# KiCad board Warp-SE.kicad_pcb (continued)
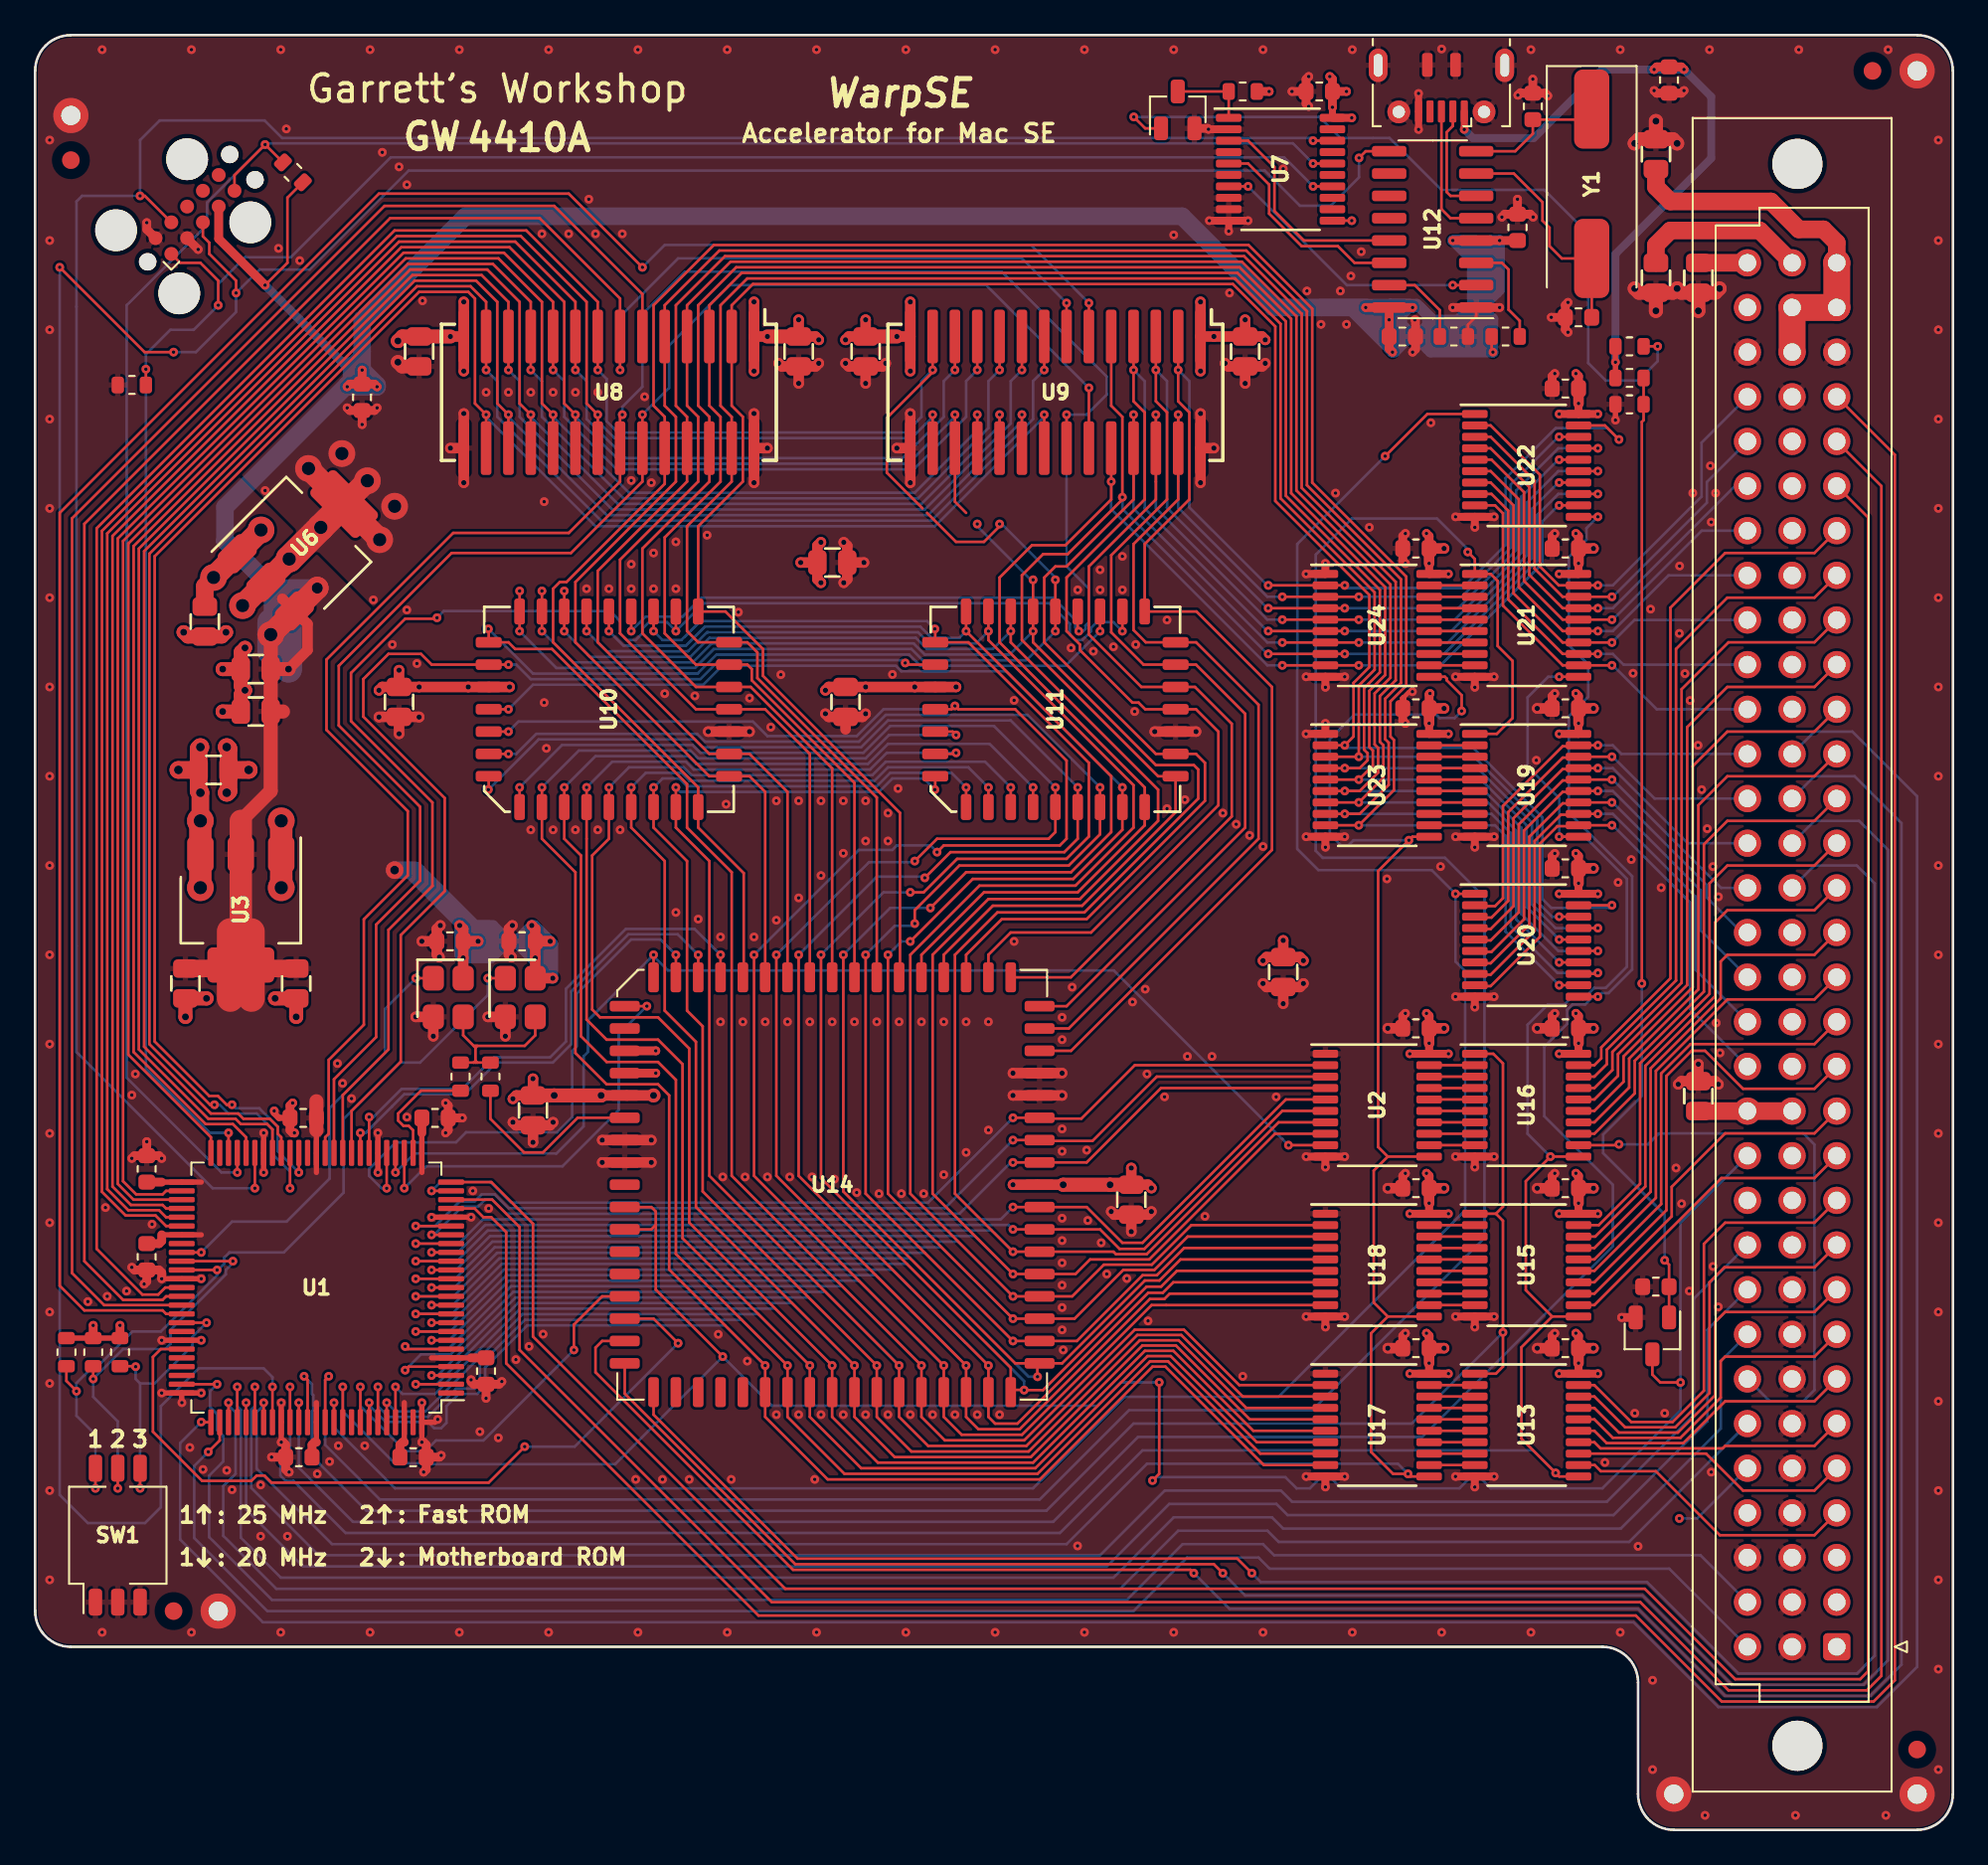
[diagram p0: board, top side]
## Routing (per net, layer and track width the routed paths; a pad name or vN(x,y) marks a point on that pad's centre or on a via; arc(x,y) is an arc through that point) (continued)
/Buf/AccA18: length 148.3
  Top w0.15: U1.16 v2(21.65,32.35) ; v2(28.83,68.2) U10.28 v2(28.83,70.49) ; U2.7 70.73,40.25 63.23,32.75 61.48,32.75 61.34,32.89 v2(55.63,32.89) 52.32,36.2 52.32,49.78 54.74,52.2 59.69,52.2 66.17,58.67 66.17,60.33 65.91,60.58 63.75,60.58 56.77,67.56 v2(56.77,68.2) U11.26 v2(56.77,71.12)
  Bottom w0.15: v2(56.77,68.2) 55.44,66.87 50.61,66.87 49.97,67.5 38.48,67.5 37.4,66.42 30.61,66.42 v2(28.83,68.2) ; v2(55.63,32.89) 54.42,34.1 25.74,34.1 24,32.35 v2(21.65,32.35) ; v2(53.59,74.3) 53.59,74.17 56.64,71.12 v2(56.77,71.12)
/Buf/AccA19: length 56.4
  Top w0.15: U1.17 v2(22.55,32.85) ; U2.6 70.95,40.9 63.1,33.05 61.69,33.05 60.58,34.16 v2(55.63,34.16)
  Bottom w0.15: v2(22.55,32.85) 24.05,32.85 25.61,34.42 55.37,34.42 v2(55.63,34.16)
/Buf/AccA20: length 59.1
  Top w0.15: U2.5 71.15,41.55 63,33.4 61.85,33.4 59.82,35.43 57.01,35.43 ; 57.28,35.43 v2(55.63,35.43) ; U1.18 v2(21.65,33.35)
  Bottom w0.15: v2(55.63,35.43) 54.93,34.73 25.48,34.73 24.1,33.35 v2(21.65,33.35)
/Buf/AccA21: length 56.1
  Top w0.15: U1.19 v2(22.55,33.85) ; U2.4 64.05,42.2 59.82,37.97 v2(55.63,37.97)
  Bottom w0.15: v2(22.55,33.85) 22.7,33.85 24.3,35.45 25.2,35.45 25.6,35.85 26,35.85 26.8,35.05 52.58,35.05 55.5,37.97 v2(55.63,37.97)
/Buf/AccA22: length 57.9
  Top w0.15: 57.01,39.24 v2(55.63,39.24) ; U1.20 v2(21.65,34.35) ; 57.06,39.19 60.15,39.19 63.81,42.85 U2.3
  Bottom w0.15: v2(21.65,34.35) 22.75,34.35 24.15,35.75 25,35.75 25.4,36.15 26.15,36.15 26.93,35.37 51.75,35.37 v2(55.63,39.24)
/Buf/AccA23: length 55.9
  Top w0.15: 57.06,40.46 59.51,40.46 62.55,43.5 U2.2 ; 57.01,40.51 v2(55.63,40.51) ; U1.24 v2(22.55,36.35)
  Bottom w0.15: v2(55.63,40.51) 50.8,35.69 27.07,35.69 25.9,36.85 23.05,36.85 v2(22.55,36.35)
/Buf/AccD0: length 140.7
  Top w0.15: U20.12 v2(86.7,48.05) ; U23.9 v2(75.3,57.15) 77.3,59.15 77.3,62 77.1,62.2 77.1,64.2 78,65.1 78,71.3 72.65,76.65 72.65,86.55 69.02,90.17 38.61,90.17 35.18,86.74 35.18,81.03 35.81,80.39 U8.24 35.81,76.58 30.23,70.99 29.84,70.99 29.46,70.61 29.46,67.56 37.72,59.31 U10.13 37.72,57.02 40.31,54.43 40.31,48.33
  Bottom w0.15: v2(75.3,57.15) 83.05,57.15 83.65,56.55 83.65,51.1 v2(86.7,48.05)
/Buf/AccD1: length 142.3
  Top w0.15: U23.8 v2(74.5,57.8) 75.35,57.8 77,59.45 77,61.85 76.8,62.05 76.8,64.35 77.7,65.25 77.7,71.15 72.35,76.5 72.35,86.4 68.9,89.85 38.93,89.85 35.81,86.74 U8.5 35.81,81.03 36.45,80.39 36.45,76.71 30.73,70.99 30.73,67.56 38.35,59.94 U10.14 40.64,59.94 41.53,59.06 41.53,48.38 ; v2(88.9,48.75) 88.85,48.7 U20.13
  Bottom w0.15: v2(88.9,48.75) 86.6,48.75 83.95,51.4 83.95,56.7 82.85,57.8 v2(74.5,57.8)
/Buf/AccD2: length 136.8
  Top w0.15: U20.14 v2(86.7,49.35) ; U23.7 v2(75.3,58.45) 76.7,59.85 76.7,61.7 76.5,61.9 76.5,64.5 77.4,65.4 77.4,71 72.05,76.35 72.05,86.26 68.77,89.54 39.24,89.54 36.45,86.74 36.45,81.03 37.08,80.39 37.08,76.71 32,71.63 32,67.56 38.35,61.21 U10.15 40.64,61.21 42.8,59.06 42.8,48.38
  Bottom w0.15: v2(75.3,58.45) 82.65,58.45 84.25,56.85 84.25,51.8 v2(86.7,49.35)
/Buf/AccD3: length 138.4
  Top w0.15: U20.15 v2(88.9,50) ; U23.6 v2(74.5,59.1) 75.35,59.1 76.4,60.15 76.4,61.55 76.2,61.75 76.2,64.65 77.1,65.55 77.1,70.85 71.75,76.2 71.75,86.11 68.64,89.22 39.56,89.22 37.08,86.74 37.08,81.03 37.72,80.39 37.72,76.71 33.27,72.26 33.27,68.07 37.59,63.75 U10.17 41.53,63.75 44.07,61.21 44.07,48.38
  Bottom w0.15: v2(88.9,50) 86.65,50 84.55,52.1 84.55,57 82.45,59.1 v2(74.5,59.1)
/Buf/AccD4: length 132.4
  Top w0.15: U20.16 v2(86.7,50.65) ; U23.5 v2(75.3,59.75) 76.1,60.55 76.1,61.4 75.9,61.6 75.9,64.8 76.8,65.7 76.8,70.7 71.45,76.05 71.45,85.97 68.52,88.9 39.88,88.9 37.72,86.74 37.72,81.03 38.35,80.39 U8.26 38.35,76.71 34.54,72.9 34.54,68.07 37.59,65.02 U10.18 40.7,65.02 45.34,60.39 45.34,48.38
  Bottom w0.15: v2(75.3,59.75) 82.25,59.75 84.85,57.15 84.85,52.5 v2(86.7,50.65)
/Buf/AccD5: length 133
  Top w0.15: U20.17 v2(88.9,51.3) ; U23.4 v2(74.5,60.4) 75.35,60.4 75.8,60.85 75.8,61.25 75.6,61.45 75.6,64.95 76.5,65.85 76.5,70.55 71.15,75.9 71.15,85.82 68.39,88.58 40.2,88.58 38.35,86.74 U8.3 38.35,81.03 38.99,80.39 38.99,76.71 35.81,73.53 35.81,68.07 37.59,66.29 U10.19 40.51,66.29 40.77,66.04 40.77,65.41 46.61,59.56 46.61,48.38
  Bottom w0.15: v2(88.9,51.3) 86.5,51.3 85.15,52.65 85.15,57.3 82.05,60.4 v2(74.5,60.4)
/Buf/AccD6: length 127.5
  Top w0.15: U20.18 v2(86.7,51.95) ; 47.88,48.38 47.88,58.74 41.08,65.53 41.08,66.99 40.51,67.56 U10.20 37.72,67.56 37.08,68.2 37.08,74.17 39.62,76.71 U8.27 39.62,80.39 38.99,81.03 38.99,86.74 40.51,88.27 68.26,88.27 70.85,85.68 70.85,75.75 76.2,70.4 76.2,66 75.3,65.1 v2(75.3,61.05) U23.3
  Bottom w0.15: v2(75.3,61.05) 81.85,61.05 85.45,57.45 85.45,52.8 86.3,51.95 v2(86.7,51.95)
/Buf/AccD7: length 129.3
  Top w0.15: v2(89.7,52.6) U20.19 ; U23.2 v2(74.5,61.7) 75,62.2 75,65.25 75.9,66.15 75.9,70.25 70.55,75.6 70.55,85.53 68.14,87.95 40.83,87.95 39.62,86.74 U8.2 39.62,81.03 40.26,80.39 40.26,76.71 37.72,74.17 U10.21 39.27,69.32 41.4,67.18 41.4,65.66 49.2,57.86 49.2,48.33
  Bottom w0.15: v2(89.7,52.6) 89.55,52.45 86.25,52.45 85.75,52.95 85.75,57.6 81.8,61.55 74.65,61.55 v2(74.5,61.7)
/Buf/AccD8: length 82.8
  Top w0.15: U9.24 v2(61.21,76.71) 61.21,75.69 58.61,73.09 56.71,73.09 54.86,71.25 54.86,67.56 63.12,59.31 U11.13 63.12,57.15 59.31,53.34 53.97,53.34 50.42,49.78 50.42,48.38 ; U22.12 v2(86.7,75.35) ; v2(75.3,66.25) U24.9 v2(70.95,66.25)
  Bottom w0.15: v2(86.7,75.35) 86.65,75.35 85.75,74.45 85.75,72.05 79.95,66.25 v2(75.3,66.25) ; v2(70.95,66.25) 70.1,66.25 61.21,75.14 v2(61.21,76.71)
/Buf/AccD9: length 90.2
  Top w0.15: U22.13 v2(88.9,76) ; v2(74.5,66.9) U24.8 v2(70.15,66.9) ; 51.69,48.38 51.69,49.78 54.48,52.58 59.56,52.58 64.88,57.89 U11.14 63.88,59.94 56.13,67.69 56.13,71.37 57.34,72.58 58.74,72.58 61.85,75.69 v2(61.85,75.82) 61.85,80.39 61.21,81.03 U9.5
  Bottom w0.15: v2(74.5,66.9) 80.15,66.9 85.45,72.2 85.45,74.8 86.65,76 v2(88.9,76) ; v2(70.15,66.9) 70.1,66.9 61.85,75.15 v2(61.85,75.82)
/Buf/AccD10: length 87.4
  Top w0.15: U22.14 v2(86.7,76.65) ; v2(75.3,67.55) U24.7 v2(70.95,67.55) ; 52.96,48.38 52.96,49.78 54.99,51.82 59.82,51.82 66.55,58.55 66.55,60.71 66.04,61.21 U11.15 63.75,61.21 57.4,67.56 57.4,71.25 58.04,71.88 58.67,71.88 62.48,75.69 v2(62.48,80.52)
  Bottom w0.15: v2(86.7,76.65) 86.65,76.65 85.15,75.15 85.15,72.35 80.35,67.55 v2(75.3,67.55) ; v2(70.95,67.55) 70.1,67.55 62.48,75.17 v2(62.48,80.52)
/Buf/AccD11: length 95.7
  Top w0.15: U22.15 v2(88.9,77.3) ; v2(74.5,68.2) U24.6 v2(70.15,68.2) ; 62.48,84.96 v2(62.48,83.06) 62.48,81.28 63.12,80.65 63.12,75.69 58.67,71.25 58.67,68.2 59.44,67.44 59.44,67.12 62.42,64.14 62.77,64.14 63.15,63.75 U11.17 66.04,63.75 67.31,62.48 67.31,58.29 60.07,51.05 55.5,51.05 54.23,49.78 54.23,48.38
  Bottom w0.15: v2(74.5,68.2) 80.55,68.2 84.85,72.5 84.85,75.5 86.65,77.3 v2(88.9,77.3) ; v2(62.48,83.06) 63.12,82.42 63.12,75.18 70.1,68.2 v2(70.15,68.2)
/Buf/AccD12: length 83.6
  Top w0.15: U22.16 v2(86.7,77.95) ; v2(75.3,68.85) U24.5 v2(70.95,68.85) ; v2(63.75,80.52) U9.26 63.75,75.69 59.94,71.88 59.94,68.01 62.93,65.02 U11.18 65.98,65.02 68.07,62.93 68.07,57.66 58.92,48.5 U14.61
  Bottom w0.15: v2(86.7,77.95) 86.65,77.95 84.55,75.85 84.55,72.65 80.75,68.85 v2(75.3,68.85) ; v2(70.95,68.85) 70.1,68.85 63.75,75.2 v2(63.75,80.52)
/Buf/AccD13: length 92.2
  Top w0.15: U22.17 v2(88.9,78.6) ; v2(74.5,69.5) U24.4 v2(70.15,69.5) ; U9.3 v2(63.75,83.06) 63.75,81.28 64.39,80.65 64.39,75.69 61.21,72.52 61.21,68.14 63.06,66.29 U11.19 66.04,66.29 68.83,63.5 68.83,57.02 58.67,46.86 U14.60
  Bottom w0.15: v2(74.5,69.5) 80.95,69.5 84.25,72.8 84.25,76.2 86.65,78.6 v2(88.9,78.6) ; v2(63.75,83.06) 64.39,82.42 64.39,75.21 70.1,69.5 v2(70.15,69.5)
/Buf/AccD14: length 82.9
  Top w0.15: U22.18 v2(86.7,79.25) ; v2(75.3,70.15) U24.3 v2(70.95,70.15) ; v2(65.02,80.52) U9.27 65.02,75.69 62.48,73.15 62.48,68.26 63.18,67.56 U11.20 66.04,67.56 69.6,64.01 69.6,56.39 58.8,45.59 57.01,45.59
  Bottom w0.15: v2(86.7,79.25) 86.65,79.25 83.95,76.55 83.95,72.95 81.15,70.15 v2(75.3,70.15) ; v2(65.02,80.52) 65.02,75.23 70.1,70.15 v2(70.95,70.15)
/Buf/AccD15: length 96.5
  Top w0.15: v2(74.5,70.8) U24.2 v2(70.15,70.8) ; U9.2 v2(65.02,83.06) 65.02,81.28 65.66,80.65 65.66,75.69 63.12,73.15 U11.21 66.07,69.32 70.36,65.02 70.36,55.75 58.93,44.32 U14.58 ; v2(90.1,79.1) 89.3,79.9 U22.19
  Bottom w0.15: v2(65.02,83.06) 65.66,82.42 65.66,75.24 70.1,70.8 v2(70.15,70.8) ; v2(90.1,79.1) 89.45,79.75 86.5,79.75 83.65,76.9 83.65,73.1 81.2,70.65 74.65,70.65 v2(74.5,70.8)
/Buf/Acc~{R}W: length 68.5
  Top w0.15: U1.29 v2(20.5,37.4) ; 35.18,48.38 v2(35.18,49.78) ; U2.9 v2(71.3,38.95)
  Bottom w0.15: v2(71.3,38.95) 61.36,48.9 36,48.9 35.18,49.72 v2(35.18,49.78) 31.45,46.05 31.45,44.25 31.2,44 31.2,40.03 29.65,38.48 21.58,38.48 v2(20.5,37.4)
/Buf/ADoutLE0: length 146.9
  Top w0.15: U21.11 v2(86.7,65.6) ; U19.11 v2(86.7,56.5) ; 86.3,29.2 U15.11 ; 86.3,29.2 84.55,27.45 84.55,22.25 v2(86.5,20.3) 86.7,20.1 U13.11 ; 86.3,29.2 84.8,30.7 84.8,36.9 v2(86.2,38.3) U16.11 ; U1.85 v2(14.5,25.2)
  Bottom w0.15: v2(86.7,65.6) 86.07,65.6 84.9,64.43 84.9,60.5 86.7,58.7 v2(86.7,56.5) 88.15,56.5 90.55,54.1 90.55,49.1 89.35,47.9 88.7,47.9 88.05,47.25 87.3,47.25 87,46.95 86.05,46.95 84.9,45.8 84.9,39.6 v2(86.2,38.3) ; v2(86.5,20.3) 85.21,21.59 62.99,21.59 58.29,16.89 17.66,16.89 14.7,19.85 14.25,19.85 13.95,20.15 13.95,20.75 14.5,21.3 v2(14.5,25.2)
/Buf/ADoutLE1: length 142.9
  Top w0.15: U24.11 80.2,65.6 80.3,65.5 80.3,65.4 81.15,64.55 v2(81.15,63.65) ; U2.11 76.95,38.3 ; 76.95,38.3 76.15,37.5 76.15,30 76.95,29.2 ; 76.95,38.3 76.4,38.85 76.4,54.55 v2(78.15,56.3) 78.35,56.5 U23.11 ; U18.11 76.95,29.2 ; 76.95,29.2 76,28.25 76,21.5 77.25,20.25 v2(78.1,20.25) 78.25,20.1 U17.11 ; U1.82 v2(13,24.3)
  Bottom w0.15: v2(81.15,63.65) 80.75,63.25 79.9,63.25 79.7,63.45 75.05,63.45 73.65,62.05 73.65,56.65 74.3,56 74.7,56 75,56.3 v2(78.15,56.3) ; v2(13,24.3) 13,24.15 12.6,23.75 12.6,20.55 16.89,16.26 58.67,16.26 63.25,20.83 77.53,20.83 v2(78.1,20.25)
/Buf/Aout~{OE}: length 103.2
  Top w0.15: U13.1 83.1,25.95 83.5,26.35 83.5,28.25 ; 83.1,35.05 U15.1 ; 83.1,35.05 83.5,34.65 83.5,28.25 ; 83.1,35.05 83.5,35.45 83.5,43.6 82.95,44.15 U16.1 ; 83.5,28.25 v2(83.5,28.3) ; U1.87 15.5,25.6 v2(15.3,25.8)
  Bottom w0.15: v2(83.5,28.3) 78.31,23.11 62.48,23.11 57.53,18.16 18.84,18.16 15.75,21.25 15.75,23.8 15.82,23.88 15.82,24.73 15.75,24.8 15.75,25.35 v2(15.3,25.8)
/Buf/DinLE: length 138.6
  Top w0.15: U22.11 v2(88.9,74.7) ; U20.11 v2(88.9,47.4) ; U1.86 v2(15,24.3)
  Bottom w0.15: v2(15,24.3) 15,20.6 18.08,17.53 57.91,17.53 62.74,22.35 78.9,22.35 89.75,33.2 89.75,36.7 85.85,40.6 85.85,44.55 87.15,45.85 87.15,46.65 87.45,46.95 88.17,46.95 88.62,47.4 v2(88.9,47.4) 89.1,47.6 89.5,47.6 90.85,48.95 90.85,54.25 87.25,57.85 87.25,63.35 88.35,64.45 88.35,66.3 87.25,67.4 87.25,72.4 88.25,73.4 88.25,74.05 v2(88.9,74.7)
/Buf/Din~{OE}: length 134.8
  Top w0.15: v2(80.8,53.25) U20.1 ; U1.90 v2(17,24.3) ; v2(76.8,78.15) 79.2,80.55 U22.1
  Bottom w0.15: v2(17,24.3) 17,22.9 20.47,19.43 56.77,19.43 61.98,24.64 70.74,24.64 81.35,35.25 81.35,48.85 80.8,49.4 v2(80.8,53.25) 79.45,54.6 73,54.6 71.8,55.8 71.8,73.15 v2(76.8,78.15)
/Buf/Dout~{OE}: length 150.9
  Top w0.15: U19.1 83.15,62.35 84.05,63.25 84.05,66.5 83.2,67.35 83.2,71.05 82.8,71.45 U21.1 81.9,72.3 v2(81.5,72.7) ; v2(16.7,25.8) 16.5,25.6 U1.89
  Bottom w0.15: v2(81.5,72.7) 81.5,72.85 79.75,74.6 74.9,74.6 72.85,72.55 72.85,55.7 73.25,55.3 80.2,55.3 82.45,53.05 82.45,33.68 72.64,23.88 62.23,23.88 57.15,18.8 19.61,18.8 16.5,21.9 16.5,25.6 v2(16.7,25.8)
/Buf/MacA1: length 16.9
  Top w0.15: U13.12 88.72,20.75 89.07,20.4 92.2,20.4 95.84,16.76 101.22,16.76 J1.A4
/Buf/MacA2: length 16.1
  Top w0.15: U13.13 95.06,21.4 97.16,19.3 101.22,19.3 J1.A5
/Buf/MacA3: length 15.4
  Top w0.15: J1.A6 101.22,21.84 96.14,21.84 96,21.7 89.05,21.7 88.7,22.05 U13.14
/Buf/MacA4: length 16.5
  Top w0.15: U13.15 88.7,22.7 89.4,22 93.76,22 96.14,24.38 101.22,24.38 J1.A7
/Buf/MacA5: length 18.8
  Top w0.15: U13.16 88.7,23.35 89.75,22.3 93.6,22.3 95.88,24.59 95.88,26.67 96.14,26.92 101.22,26.92 J1.A8
/Buf/MacA6: length 21.1
  Top w0.15: J1.A9 101.22,29.46 96.14,29.46 95.57,28.89 95.57,24.72 93.45,22.6 90.1,22.6 88.7,24 U13.17
/Buf/MacA7: length 23.4
  Top w0.15: U13.18 88.7,24.65 90.45,22.9 93.3,22.9 95.25,24.86 95.25,31.16 96.1,32 101.22,32 J1.A10
/Buf/MacA8: length 25.7
  Top w0.15: J1.A11 101.22,34.54 96.14,34.54 94.93,33.34 94.93,24.99 93.15,23.2 90.8,23.2 88.7,25.3 U13.19
/Buf/MacA9: length 18.2
  Top w0.15: J1.A12 101.22,37.08 95.93,37.08 88.7,29.85 U15.12
/Buf/MacA10: length 20
  Top w0.15: J1.A13 101.22,39.62 96.14,39.62 93.1,36.58 93.1,34.9 88.7,30.5 U15.13
/Buf/MacA11: length 26
  Top w0.15: J1.A14 101.22,42.16 97.16,42.16 95,44.32 94.23,44.32 92.8,42.89 92.8,35.25 88.7,31.15 U15.14
/Buf/MacA12: length 24.9
  Top w0.15: J1.A15 101.22,44.7 94.17,44.7 92.5,43.03 92.5,35.6 88.7,31.8 U15.15
/Buf/MacA13: length 25.6
  Top w0.15: J1.A16 101.22,47.24 96.27,47.24 92.2,43.18 92.2,35.95 88.7,32.45 U15.16
/Buf/MacA14: length 27.5
  Top w0.15: J1.A17 101.22,49.78 96.27,49.78 95.88,49.4 95.88,47.31 91.9,43.32 91.9,36.3 88.7,33.1 U15.17
/Buf/MacA15: length 29.4
  Top w0.15: J1.A18 101.22,52.32 96.27,52.32 95.57,51.63 95.57,47.43 91.6,43.47 91.6,36.6 88.75,33.75 U15.18
/Buf/MacA16: length 31.4
  Top w0.15: J1.A19 101.22,54.86 96.27,54.86 95.25,53.85 95.25,47.56 91.3,43.61 91.3,36.75 88.95,34.4 U15.19
/Buf/MacA17: length 28.6
  Top w0.15: J1.A20 101.22,57.4 96.27,57.4 94.93,56.07 94.93,47.69 91,43.75 91,41.9 88.7,39.6 U16.13
/Buf/MacA18: length 30.5
  Top w0.15: J1.A21 101.22,59.94 96.27,59.94 94.62,58.29 94.62,47.82 90.68,43.88 90.68,42.23 88.7,40.25 U16.14
/Buf/MacA19: length 32.4
  Top w0.15: J1.A22 101.22,62.48 96.27,62.48 94.3,60.52 94.3,47.94 90.36,44.01 90.36,42.57 88.7,40.9 U16.15
/Buf/MacA20: length 34.3
  Top w0.15: J1.A23 101.22,65.02 96.27,65.02 93.98,62.74 93.98,48.07 90.04,44.13 90.04,42.9 88.7,41.55 U16.16
/Buf/MacA21: length 36.1
  Top w0.15: J1.A24 101.22,67.56 96.33,67.56 93.66,64.9 93.66,48.2 89.73,44.26 89.73,43.23 88.7,42.2 U16.17
/Buf/MacA22: length 38
  Top w0.15: J1.A25 101.22,70.1 96.27,70.1 93.34,67.18 93.34,48.32 89.41,44.39 89.41,43.56 88.7,42.85 U16.18
/Buf/MacA23: length 40
  Top w0.15: J1.A26 101.22,72.64 96.14,72.64 93.03,69.53 93.03,48.45 89.09,44.51 89.09,43.9 88.7,43.5 U16.19
/Buf/MacD0: length 31.6
  Top w0.15: U19.12 v2(89.7,57.15) ; 81.9,48 82.8,48 85.6,50.8 85.6,56.1 86.6,57.1 87.8,57.1
  Bottom w0.15: v2(89.7,57.15) 89.75,57.15 94.15,52.75 94.15,46.69 J1.C14
/Buf/MacD1: length 29.6
  Top w0.15: 81.9,48.65 82.8,48.65 85.3,51.15 85.3,56.25 86.8,57.75 87.8,57.75 ; U19.13 v2(88.9,57.8)
  Bottom w0.15: v2(88.9,57.8) 89.75,57.8 94.45,53.1 94.45,48.93 J1.C15
/Buf/MacD2: length 27.7
  Top w0.15: 87.8,58.4 86.9,58.4 85,56.5 85,51.5 82.8,49.3 81.9,49.3 ; U19.14 v2(89.7,58.45)
  Bottom w0.15: v2(89.7,58.45) 89.75,58.45 94.75,53.45 94.75,51.17 J1.C16
/Buf/MacD3: length 26
  Top w0.15: U19.15 v2(88.9,59.1) ; 81.9,49.95 82.85,49.95 84.7,51.8 84.7,56.85 86.9,59.05 87.8,59.05
  Bottom w0.15: J1.C17 97.09,51.05 95.1,53.05 95.1,53.75 89.75,59.1 v2(88.9,59.1)
/Buf/MacD4: length 24.8
  Top w0.15: U19.16 v2(89.7,59.75) ; 87.8,59.7 86.9,59.7 84.4,57.2 84.4,52.2 82.8,50.6 81.9,50.6
  Bottom w0.15: J1.C18 95.91,53.59 89.75,59.75 v2(89.7,59.75)
/Buf/MacD5: length 24
  Top w0.15: 87.8,60.35 86.9,60.35 84.1,57.55 84.1,52.55 82.8,51.25 81.9,51.25 ; U19.17 v2(88.9,60.4)
  Bottom w0.15: v2(88.9,60.4) 89.75,60.4 94.02,56.13 J1.C19
/Buf/MacD6: length 23.2
  Top w0.15: 87.8,61 86.9,61 83.8,57.9 83.8,52.85 82.85,51.9 81.9,51.9 ; U19.18 v2(89.7,61.05)
  Bottom w0.15: J1.C20 92.13,58.67 89.75,61.05 v2(89.7,61.05)
/Buf/MacD7: length 22.6
  Top w0.15: U19.19 v2(88.9,61.7) ; 81.9,52.55 83.05,52.55 83.5,53 83.5,58.25 86.9,61.65 87.8,61.65
  Bottom w0.15: J1.C21 90.24,61.21 89.75,61.7 v2(88.9,61.7)
/Buf/MacD8: length 23.4
  Top w0.15: U22.9 83.05,75.35 83.5,74.9 83.5,69.65 86.9,66.25 U21.12 v2(89.7,66.25)
  Bottom w0.15: v2(89.7,66.25) 89.75,66.25 92.25,63.75 J1.C22
/Buf/MacD9: length 22.5
  Top w0.15: U22.8 82.85,76 83.8,75.05 83.8,70 86.9,66.9 U21.13 v2(88.9,66.9)
  Bottom w0.15: v2(88.9,66.9) 89.75,66.9 90.36,66.29 J1.C23
/Buf/MacD10: length 22.7
  Top w0.15: U22.7 82.8,76.65 84.1,75.35 84.1,70.35 86.9,67.55 U21.14 v2(89.7,67.55)
  Bottom w0.15: v2(89.7,67.55) 90.98,68.83 J1.C24
/Buf/MacD11: length 23.5
  Top w0.15: U22.6 82.8,77.3 84.4,75.7 84.4,70.7 86.9,68.2 U21.15 v2(88.9,68.2)
  Bottom w0.15: J1.C25 92.92,71.37 89.75,68.2 v2(88.9,68.2)
/Buf/MacD12: length 24.3
  Top w0.15: U22.5 82.85,77.95 84.7,76.1 84.7,71.05 86.9,68.85 U21.16 v2(89.7,68.85)
  Bottom w0.15: v2(89.7,68.85) 89.75,68.85 94.81,73.91 J1.C26
/Buf/MacD13: length 25.1
  Top w0.15: U22.4 82.8,78.6 85,76.4 85,71.4 86.9,69.5 U21.17 v2(88.9,69.5)
  Bottom w0.15: J1.C27 96.7,76.45 89.75,69.5 v2(88.9,69.5)
/Buf/MacD14: length 26.6
  Top w0.15: U22.3 82.8,79.25 85.3,76.75 85.3,71.75 86.9,70.15 U21.18 v2(89.7,70.15)
  Bottom w0.15: v2(89.7,70.15) 89.75,70.15 95.1,75.5 95.1,76.68 J1.C28
/Buf/MacD15: length 28.6
  Top w0.15: U22.2 82.8,79.9 85.6,77.1 85.6,71.88 86.68,70.8 U21.19 v2(88.9,70.8)
  Bottom w0.15: v2(88.9,70.8) 89.75,70.8 94.8,75.85 94.8,78.92 J1.C29
/Buf/Mac~{R}W: length 32.5
  Top w0.15: U16.12 90.05,38.95 v2(90.1,39)
  Bottom w0.15: v2(90.1,39) 91.75,39 92.37,39.62 100.58,39.62 101.22,38.99 101.22,25.02 100.58,24.38 98.68,24.38 J1.C7
/Clk.sch/CK20EN: length 48.6
  Top w0.15: U4.1 v2(25.75,48.45) ; R6.2 1.78,25.54 2.35,24.97 ; U1.61 v2(10.35,31.85) ; SW1.6 v2(3.43,19.43)
  Bottom w0.15: v2(25.75,48.45) 25.75,47.5 21.9,43.65 20.75,43.65 17.55,40.45 17.55,36.25 14.15,32.85 11.05,32.85 10.75,32.55 10.75,32.2 10.4,31.85 v2(10.35,31.85) 10.35,31.55 7.15,28.35 5.53,28.35 3.35,26.17 3.1,26.17 2.35,25.42 v2(2.35,24.96) 2.35,23.56 3.43,22.48 v2(3.43,19.43)
/Clk.sch/CK25EN: length 24.6
  Top w0.15: U5.1 v2(21.65,48.45) ; U1.59 v2(9.45,32.85)
  Bottom w0.15: v2(21.65,48.45) 19.9,46.7 19.9,44.2 16.75,41.05 16.75,37.05 14.3,34.6 11.2,34.6 v2(9.45,32.85)
/Clk.sch/MCLK: length 11
  Top w0.15: 33.67,40.51 30.86,40.51 28.89,38.54 27.81,38.54 25.9,40.45 R1.2
/Clk.sch/RCLK: length 6.9
  Top w0.15: R2.2 21.95,42.05 20.65,40.75 20.65,40.35 20.95,40.05 21.25,40.05 21.5,39.8 U1.27
/Control/Acc~{AS}: length 30.2